# Altium PCB Urukul.PcbDoc (part 1 of 12) (continued)
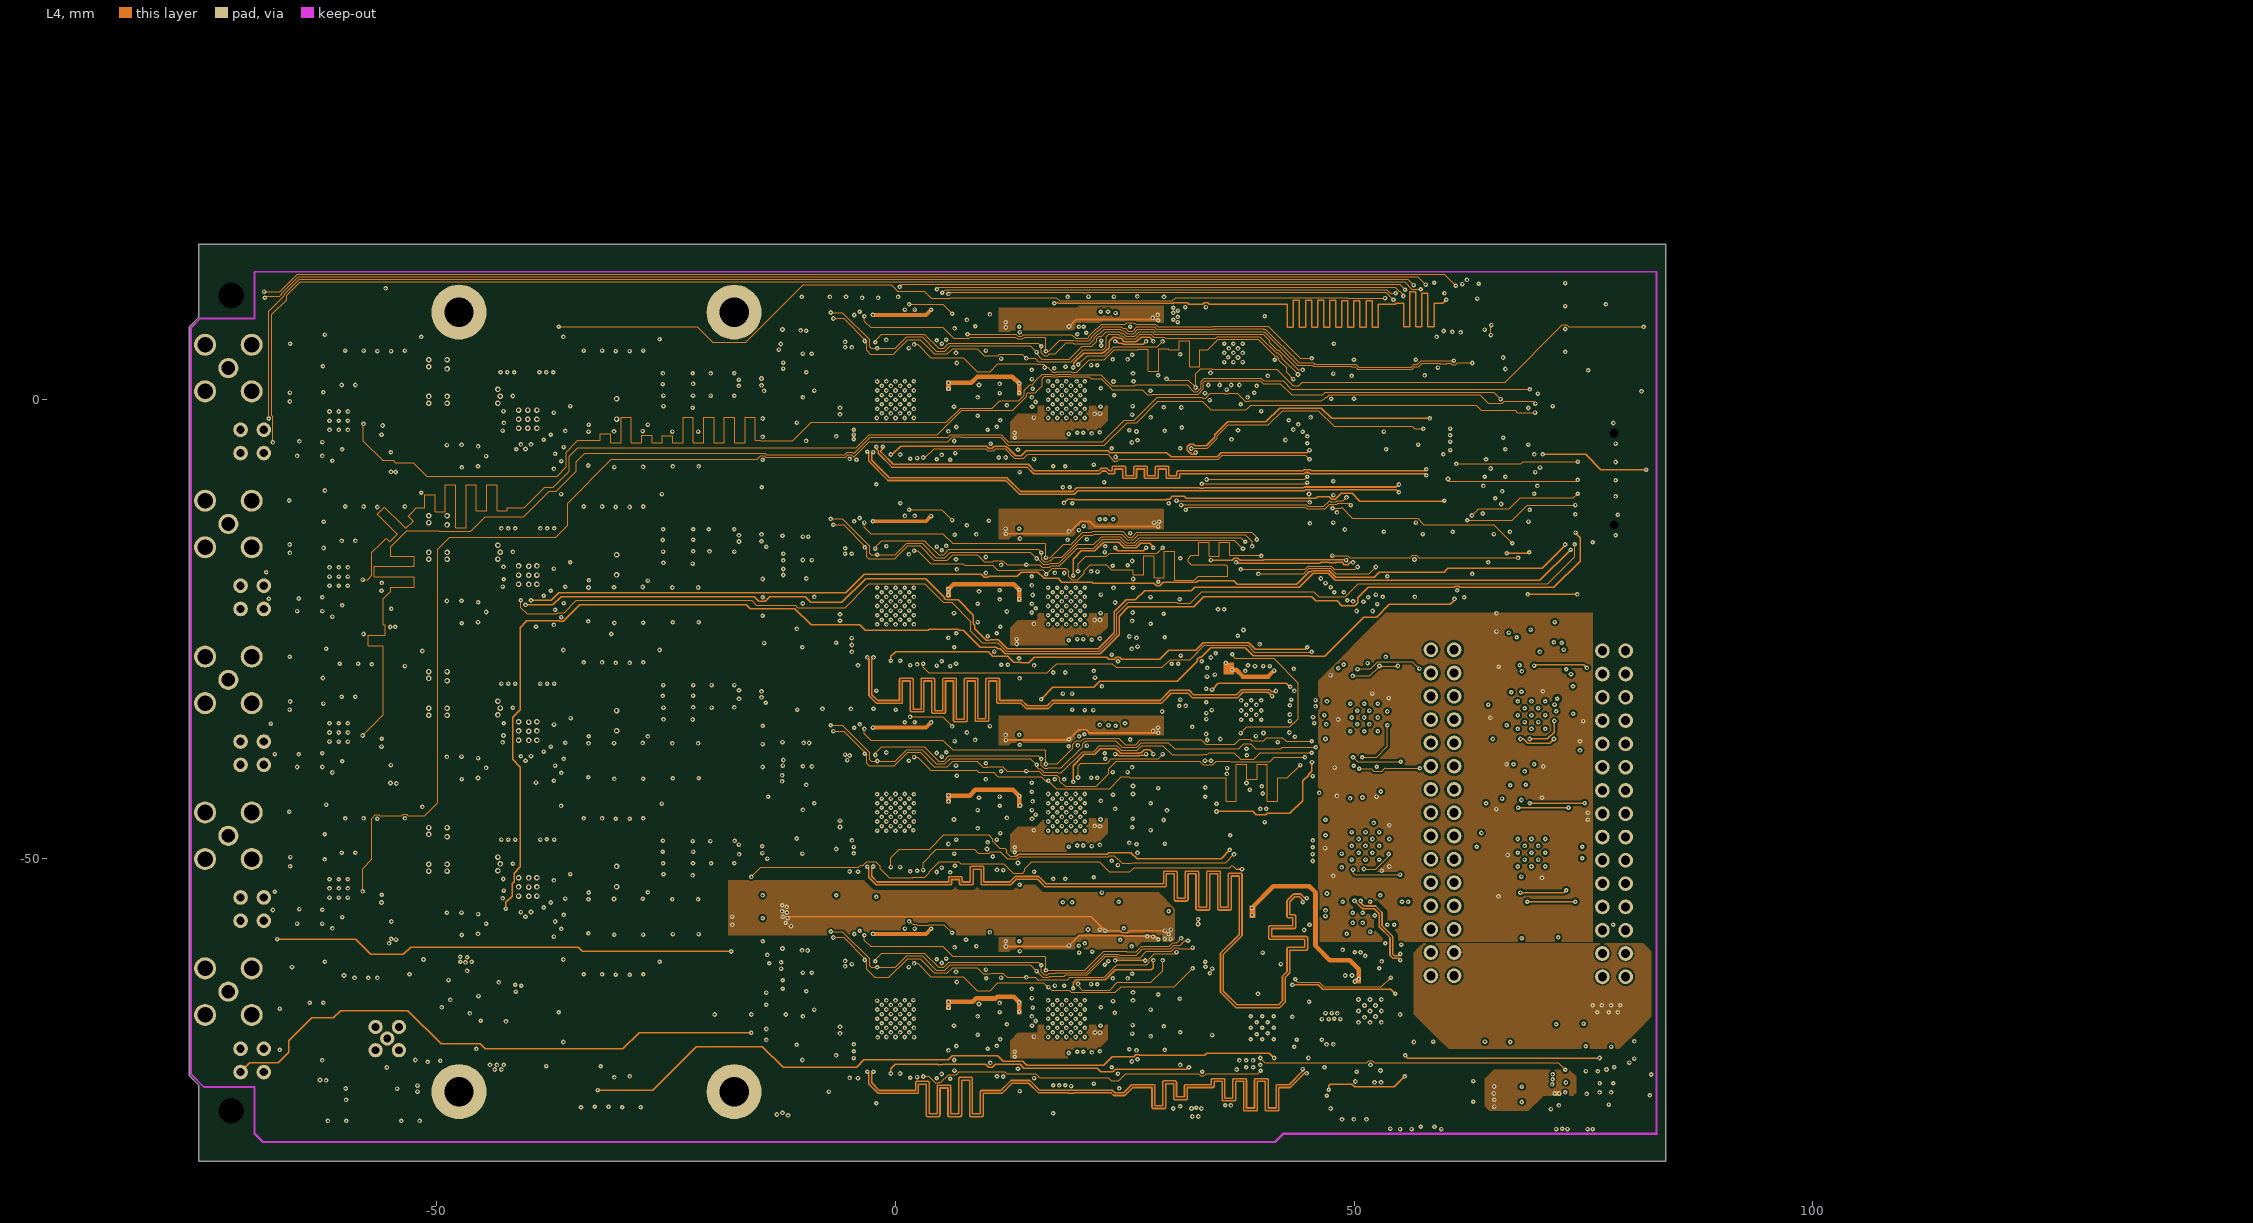
[diagram p4: L4]
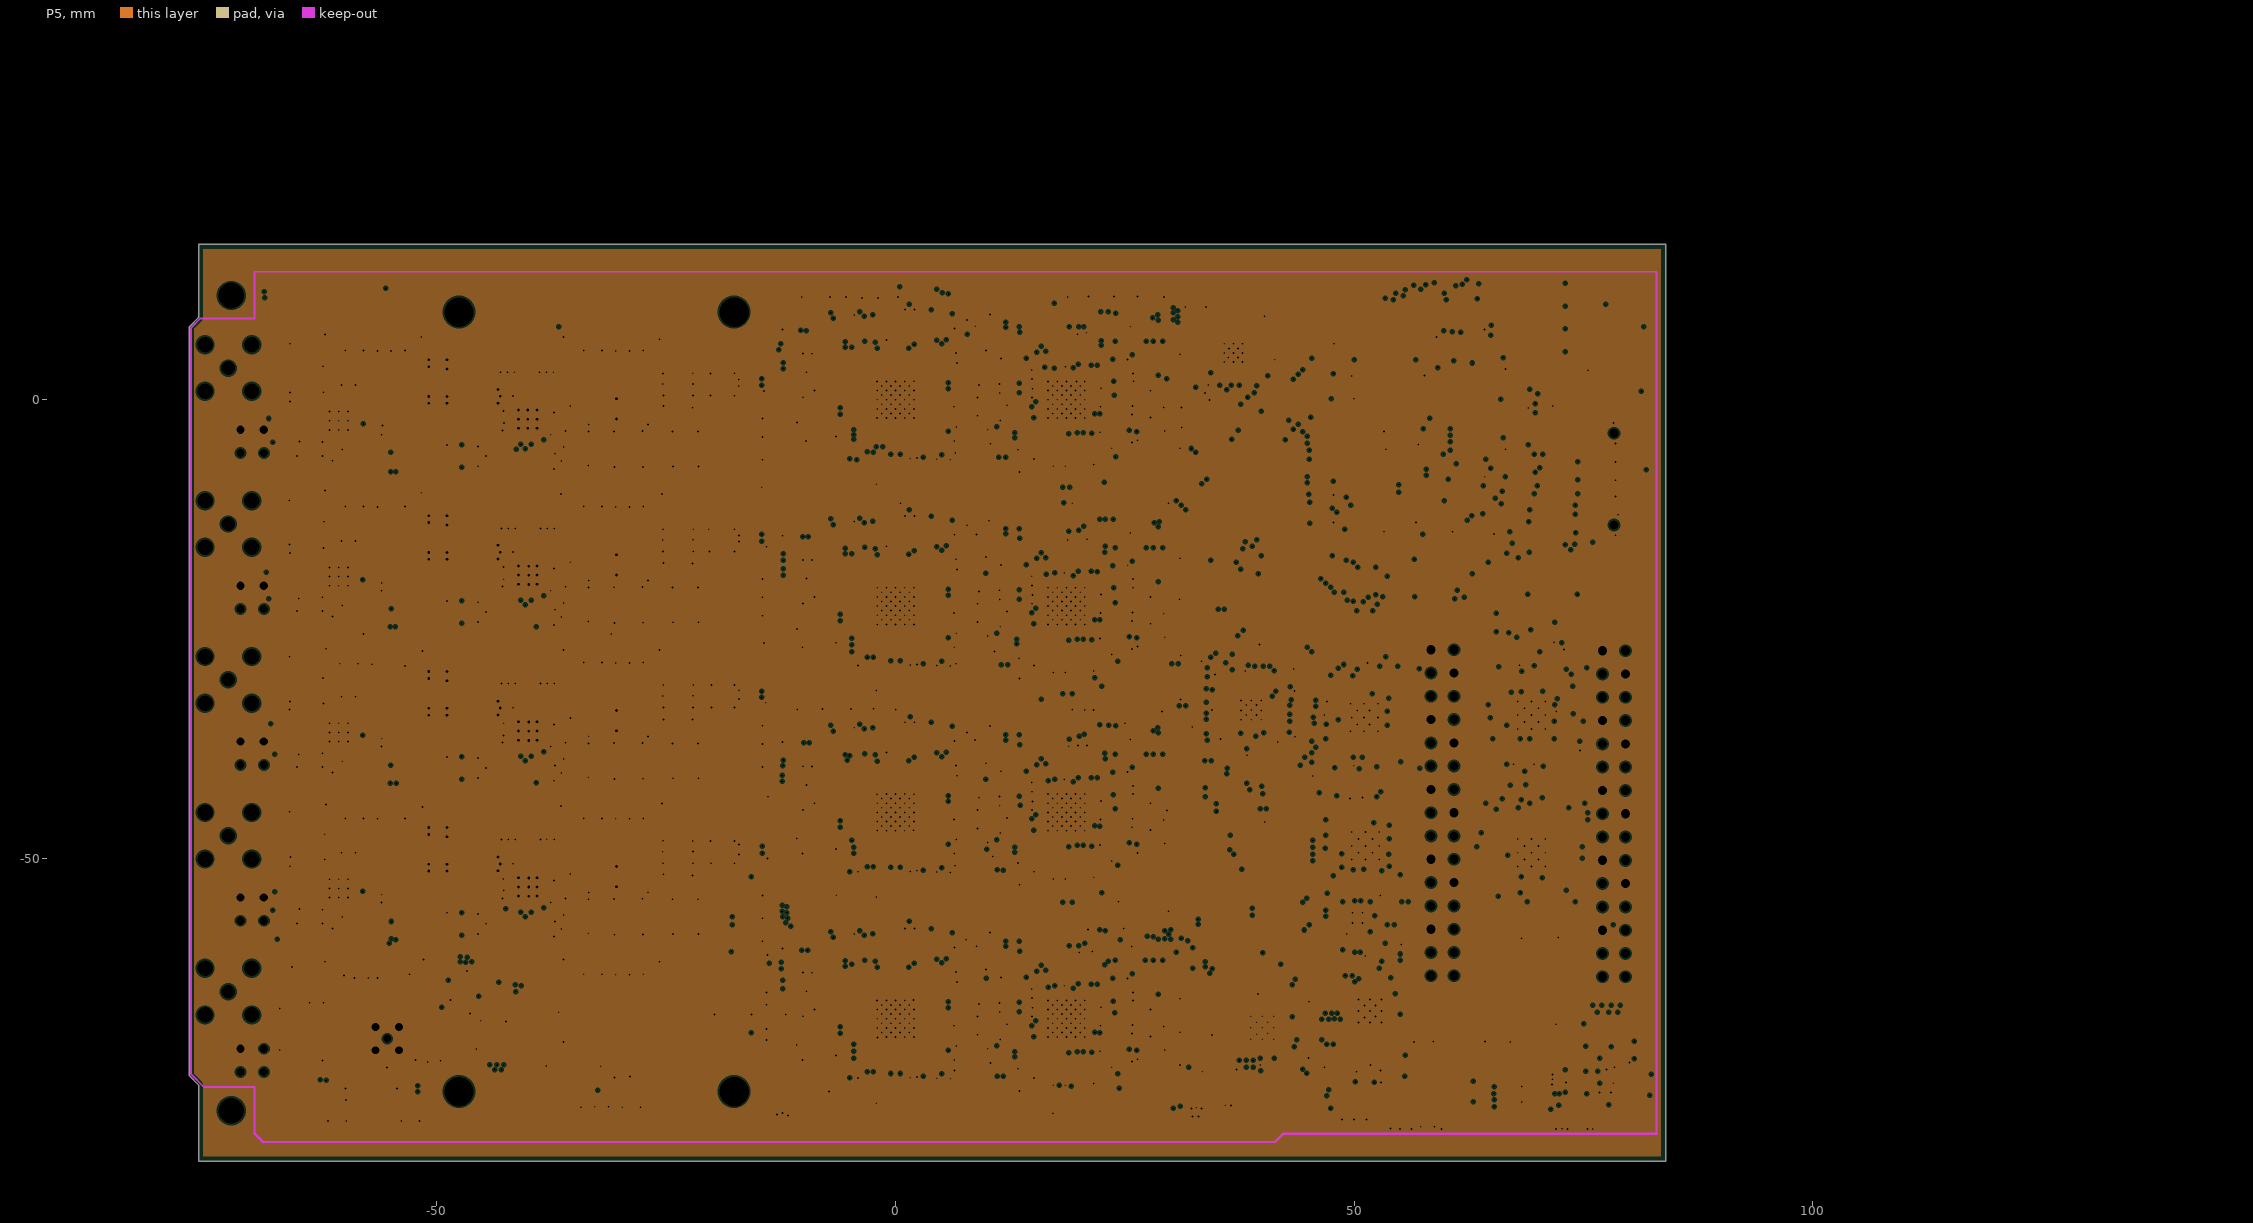
[diagram p5: P5, clearances drawn from the general rule]
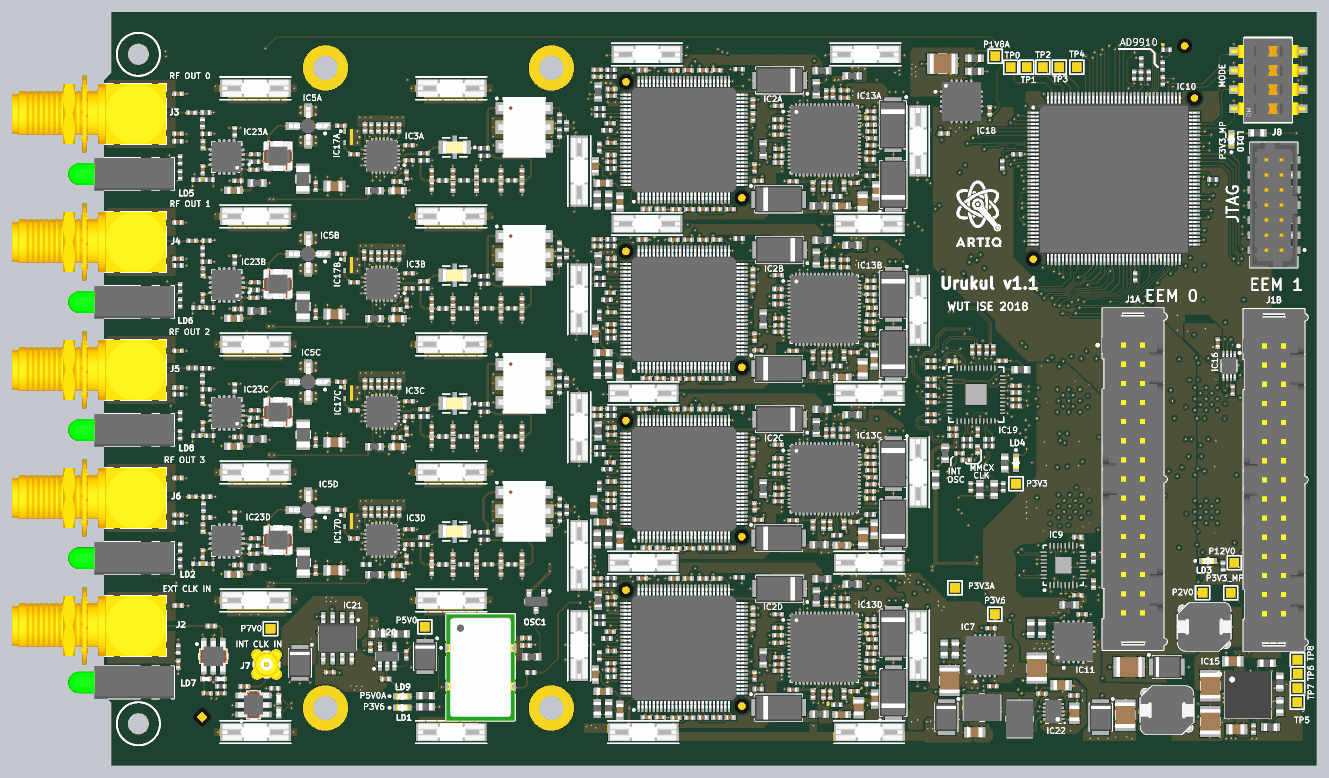
[diagram p17: 3D render of the assembled board from above, using the file's embedded part models]
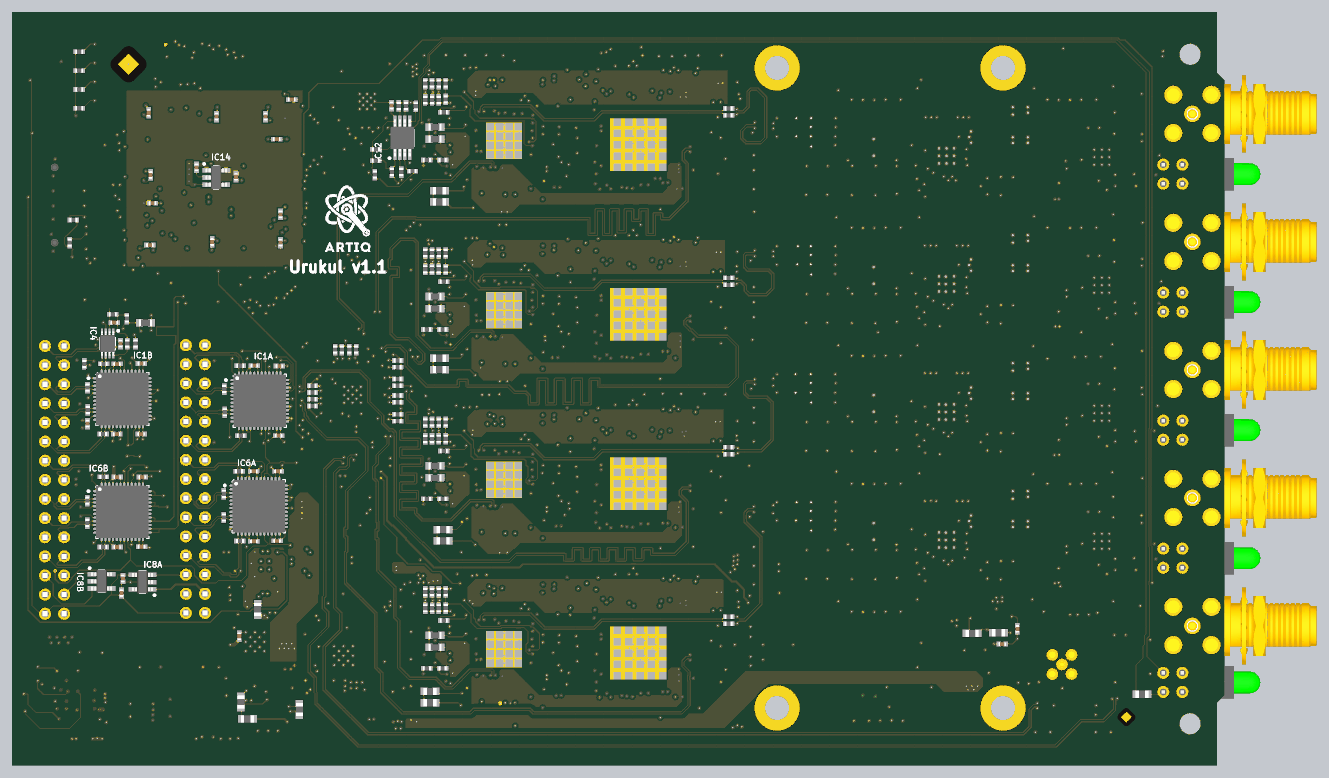
[diagram p18: 3D render of the assembled board from below, using the file's embedded part models]

## Layer stack, top to bottom
Top Solder: solder mask 0.034, Solder Resist, Dk 3.5
L1: signal copper 0.058
Dielectric1: core 0.18, FR4, Dk 3.66
P2: plane copper 0.018, net (Multiple Nets)
Dielectric 9: prepreg 0.46, FR4, Dk 4.2
L3: signal copper 0.018
Dielectric 8: prepreg 0.18, Dk 4.2
L4: signal copper 0.018
Dielectric4: core 0.46, FR4, Dk 4.2
P5: plane copper 0.018, net GND
Dielectric3: core 0.18, FR4, Dk 4.2
L6: signal copper 0.058
Bottom Solder: solder mask 0.034, Solder Resist, Dk 3.5

## Board outline
-77,-73.733 -77,7.947 -76,8.947 -76,16.947 83.995,16.947 83.995,-83.053 -76,-83.053 -76,-74.733

## Design rules (kind name [scope] priority, off if disabled: settings)
AcuteAngle AcuteAngle_GND [InNet('GND')] p1: minimum=5.00000000000000E+0001 checktracksonly=FALSE
AcuteAngle [All] p2: minimum=5.00000000000000E+0001 checktracksonly=FALSE
Clearance Clearance_1 [InPolygon vs (InDifferentialPairClass('All Differential Pairs'))] p1: gap=0.254 ignorepadtopadclearanceinfootprint=FALSE except(0: Arc-Hole Track-Hole SMDPad-Hole THPad-Hole Via-Hole Fill-Hole Poly-Hole Region-Hole Text-Hole; 0.508: Track-Poly)
Clearance Clearance_KeepOut [OnLayer('Keep-Out Layer') vs NOT (InComponent('J8') OR InComponent('J11'))] p2: gap=0.1 ignorepadtopadclearanceinfootprint=FALSE except(0: Arc-Hole Track-Hole SMDPad-Hole THPad-Hole Via-Hole Fill-Hole Poly-Hole Region-Hole Text-Hole)
Clearance Clearance_50_Ohms_GND_VIA [InNetClass('50_Ohms') vs (IsVia AND InNet('GND')) and not(IsPad)] p3: gap=0.2 ignorepadtopadclearanceinfootprint=FALSE except(0: Arc-Hole Track-Hole SMDPad-Hole THPad-Hole Via-Hole Fill-Hole Poly-Hole Region-Hole Text-Hole)
Clearance Clearance_50_Ohms_GND_Plane [InNetClass('50_Ohms') vs InPolygon] p4: gap=0.5 ignorepadtopadclearanceinfootprint=FALSE except(0: Arc-Hole Track-Hole SMDPad-Hole THPad-Hole Via-Hole Fill-Hole Poly-Hole Region-Hole Text-Hole)
Clearance Clearance_50_Ohms_GND_PADS [InNetClass('50_Ohms') vs InNet('GND')] p5: gap=0.2 ignorepadtopadclearanceinfootprint=FALSE except(0: Arc-Hole Track-Hole SMDPad-Hole THPad-Hole Via-Hole Fill-Hole Poly-Hole Region-Hole Text-Hole)
Clearance Clearance_50_Ohms [InNetClass('50_Ohms')] p6: gap=0.2 ignorepadtopadclearanceinfootprint=FALSE except(0: Arc-Hole Track-Hole SMDPad-Hole THPad-Hole Via-Hole Fill-Hole Poly-Hole Region-Hole Text-Hole)
Clearance Clearance_DiffPair_1 [(InDifferentialPairClass('All Differential Pairs')) vs (InDifferentialPairClass('All Differential Pairs'))] p7 off: gap=0.3 ignorepadtopadclearanceinfootprint=FALSE except(0: Arc-Hole Track-Hole SMDPad-Hole THPad-Hole Via-Hole Fill-Hole Poly-Hole Region-Hole Text-Hole)
Clearance [Not (OnLayer('Keep-Out Layer'))] p8: gap=0.127 ignorepadtopadclearanceinfootprint=FALSE except(0: Arc-Hole Track-Hole SMDPad-Hole THPad-Hole Via-Hole Fill-Hole Poly-Hole Region-Hole Text-Hole; 0.203: Arc-Poly Track-Poly SMDPad-Poly THPad-Poly Via-Poly Fill-Poly Poly-Poly)
Clearance Clearance_abs [All] p9: gap=0.1 ignorepadtopadclearanceinfootprint=FALSE except(0: Arc-Hole Track-Hole SMDPad-Hole THPad-Hole Via-Hole Fill-Hole Poly-Hole Region-Hole Text-Hole)
ComponentClearance Clearance_ERNI [(HasFootprint('ERMET ZD 3-10 CONNECTOR')) vs (HasFootprint('ERMET ZD 3-10 CONNECTOR'))] p1: gap=0 collisioncheckmode=3 verticalgap=0.254 showdistances=FALSE
ComponentClearance Clearance_Radiall_Placement [HasFootprint('Coaxipack2') vs HasFootprint('Coaxipack2')] p2: gap=0 collisioncheckmode=3 verticalgap=0.254 showdistances=FALSE
ComponentClearance [All] p3: gap=0.254 collisioncheckmode=3 verticalgap=0.254 showdistances=FALSE
DiffPairsRouting CLK_DiffPairsRouting [(InDifferentialPairClass('All Differential Pairs'))] p1: maxlimit=0.178 minlimit=0.127 mostfreqgap=0.152 toplayer_minwidth=0.152 toplayer_maxwidth=0.152 toplayer_prefwidth=0.152 midlayer2_maxgap=0.152 midlayer2_prefgap=0.127 midlayer2_minwidth=0.178 midlayer2_maxwidth=0.178 midlayer2_prefwidth=0.178 midlayer3_maxgap=0.152 midlayer3_prefgap=0.127 midlayer3_minwidth=0.178 midlayer3_maxwidth=0.178 midlayer3_prefwidth=0.178 bottomlayer_minwidth=0.152 bottomlayer_maxwidth=0.152 bottomlayer_prefwidth=0.152 maxuncoupledlength=10
FabricationTestPointUsage TestPointUsage [All] p1: valid=0 allowmultiple=FALSE
FabricationTestpoint Testpoint [(IsPad And (OnTopLayer Or OnBottomLayer))] p1: side=3 testpointundercomponent=TRUE minsize=1.016 maxsize=2.54 preferedsize=1.524 minholesize=0 maxholesize=1.016 preferedholesize=0.813 testpointgrid=0.025 allowsidetop=TRUE allowsidebottom=TRUE usegrid=TRUE gridtolerance=0
Height BottomHeight [All] p1: minheight=0 maxheight=20 prefheight=10
Height TopHeight [OnLayer('Top Layer (LO)')] p2: minheight=0 maxheight=2.5 prefheight=1
HoleSize [All] p1: absolutevalues=TRUE maxlimit=5 minlimit=0.3 maxpercent=80.000 minpercent=20.000
HoleToHoleClearance [All] p1: gap=0.2 allowstackedmicrovias=TRUE
Length [All] p1: maxlimit=2540 minlimit=0
MatchedLengths [All] p1: tolerance=25.4 checknetsindiffpair=FALSE checkdiffpairvsdiffpair=TRUE checkxsignals=TRUE checkothers=TRUE
MatchedLengths Update [InxSignalClass('UPDATE')] p2: tolerance=1.27 checknetsindiffpair=FALSE checkdiffpairvsdiffpair=TRUE checkxsignals=TRUE checkothers=TRUE
MatchedLengths RFSW [InxSignalClass('RFSW')] p3: tolerance=2.54 checknetsindiffpair=FALSE checkdiffpairvsdiffpair=TRUE checkxsignals=TRUE checkothers=TRUE
MatchedLengths "IO 11 15" [InxSignalClass('IO11_15')] p4: tolerance=2.54 checknetsindiffpair=FALSE checkdiffpairvsdiffpair=TRUE checkxsignals=TRUE checkothers=TRUE
MatchedLengths "DDS SYNC" [InxSignalClass('DDSx_SYNC')] p5: tolerance=1.27 checknetsindiffpair=FALSE checkdiffpairvsdiffpair=TRUE checkxsignals=TRUE checkothers=TRUE
MatchedLengths "DDS RESET" [InxSignalClass('DDS_RESET')] p6: tolerance=1.27 checknetsindiffpair=FALSE checkdiffpairvsdiffpair=TRUE checkxsignals=TRUE checkothers=TRUE
MatchedLengths "CLK IC13" [InxSignalClass('CLK IC13')] p7: tolerance=1.27 checknetsindiffpair=FALSE checkdiffpairvsdiffpair=TRUE checkxsignals=TRUE checkothers=TRUE
MinimumAnnularRing MinimumAnnularRing_Blind [(InNetClass('50_Ohms') OR InDifferentialPairClass('All Differential Pairs'))] p1: minimumring=0.1
MinimumAnnularRing [All] p2: minimumring=0.15
MinimumSolderMaskSliver [All] p1: minsoldermaskwidth=0.2
PlaneClearance [All] p1: clearance=0.2
PlaneConnect PlaneConnect_pad [InPadClass('All Pads')] p1: planeconnectstyle=Relief reliefexpansion=0.508 reliefentries=4 reliefconductorwidth=0.254 reliefairgap=0.254
PlaneConnect [All] p2: planeconnectstyle=Direct reliefexpansion=0.508 reliefentries=4 reliefconductorwidth=0.254 reliefairgap=0.254
PolygonConnect PolygonConnect_pad [IsPad] p1: connectstyle=Relief reliefconductorwidth=0.15 reliefentries=4 polygonreliefangle="90 Angle" airgapwidth=0.15
PolygonConnect [All] p2: connectstyle=Direct reliefconductorwidth=0.254 reliefentries=4 polygonreliefangle="90 Angle" airgapwidth=0.254
RoomDefinition Urukul [InComponentClass('Urukul')] p1: confinementstyle=ConfineIn formatcopy=TRUE lockcomponents=FALSE outline -125.9,-179.153 -75.1,-179.153 -75.1,-153.753 -125.9,-153.753
RoomDefinition U_LVDS_IFCB [InComponentClass('U_LVDS_IFCB')] p2: confinementstyle=ConfineIn formatcopy=TRUE lockcomponents=FALSE outline -125.9,-179.153 -75.1,-179.153 -75.1,-153.753 -125.9,-153.753
RoomDefinition U_LVDS_IFCA [InComponentClass('U_LVDS_IFCA')] p3: confinementstyle=ConfineIn formatcopy=TRUE lockcomponents=FALSE outline -125.9,-179.153 -75.1,-179.153 -75.1,-153.753 -125.9,-153.753
RoomDefinition U_DDS_channel1 [InComponentClass('U_DDS_channel1')] p4: confinementstyle=ConfineIn formatcopy=TRUE lockcomponents=FALSE outline -12.65,-32.403 29.95,-32.403 29.95,-12.403 -12.65,-12.403
RoomDefinition U_DDS_channel0 [InComponentClass('U_DDS_channel0')] p5: confinementstyle=ConfineIn formatcopy=TRUE lockcomponents=FALSE outline -12.65,-9.903 29.95,-9.903 29.95,10.097 -12.65,10.097
RoomDefinition U_DDS_OUT_channel1 [InComponentClass('U_DDS_OUT_channel1')] p6: confinementstyle=ConfineIn formatcopy=TRUE lockcomponents=FALSE outline -70.9,-11.153 -13.9,-11.153 -13.9,-25.153 -70.9,-25.153
RoomDefinition U_CTRL_LOGIC [InComponentClass('U_CTRL_LOGIC')] p7: confinementstyle=ConfineIn formatcopy=TRUE lockcomponents=FALSE outline 31.875,-22.953 77.58,-22.953 77.58,7.942 31.875,7.942
RoomDefinition U_DDS_OUT_channel0 [InComponentClass('U_DDS_OUT_channel0')] p8: confinementstyle=ConfineIn formatcopy=TRUE lockcomponents=FALSE outline -70.9,5.847 -13.9,5.847 -13.9,-8.153 -70.9,-8.153
RoomDefinition U_DDS_OUT_channel3 [InComponentClass('U_DDS_OUT_channel3')] p9: confinementstyle=ConfineIn formatcopy=TRUE lockcomponents=FALSE outline -70.9,-45.153 -13.9,-45.153 -13.9,-59.153 -70.9,-59.153
RoomDefinition U_DDS_OUT_channel2 [InComponentClass('U_DDS_OUT_channel2')] p10: confinementstyle=ConfineIn formatcopy=TRUE lockcomponents=FALSE outline -70.9,-28.153 -13.9,-28.153 -13.9,-42.153 -70.9,-42.153
RoomDefinition U_CLK_INPUT [InComponentClass('U_CLK_INPUT')] p11: confinementstyle=ConfineIn formatcopy=TRUE lockcomponents=FALSE outline -77.9,-82.653 -14.65,-82.653 -14.65,-60.403 -77.9,-60.403
RoomDefinition U_Supply_DDS [InComponentClass('U_Supply_DDS')] p12: confinementstyle=ConfineIn formatcopy=TRUE lockcomponents=FALSE outline 56.1,-83.753 84.275,-83.753 84.275,-20.753 56.1,-20.753
RoomDefinition U_DDS_channel3 [InComponentClass('U_DDS_channel3')] p13: confinementstyle=ConfineIn formatcopy=TRUE lockcomponents=FALSE outline -12.65,-77.403 29.95,-77.403 29.95,-57.403 -12.65,-57.403
RoomDefinition U_DDS_channel2 [InComponentClass('U_DDS_channel2')] p14: confinementstyle=ConfineIn formatcopy=TRUE lockcomponents=FALSE outline -12.65,-54.903 29.95,-54.903 29.95,-34.903 -12.65,-34.903
RoutingVias [All] p1: holewidth=0.2 width=0.5 viastyle="Through Hole" minholewidth=0.2 minwidth=0.5 maxholewidth=0.5 maxwidth=1
SMDNeckDown [All] p1: percent=100.000
SMDToCorner [All] p1: distance=78740
SMDToPlane [All] p1: distance=0
SilkToSilkClearance [All] p1: silktosilkclearance=0
SilkToSolderMaskClearance SilkscreenOverComponentPads [IsPad] p1: minsilkscreentomaskgap=0.05 clearancetoexposedcopper=TRUE
SolderMaskExpansion SolderMaskExpansion_GND_VIA [IsVia AND InNet('GND')] p1: expansion=-0.1
SolderMaskExpansion [All] p2: expansion=0.05
Width 50_Ohm_Lines [InNetClass('50_Ohms')] p1: maxlimit=0.529 minlimit=0.181 preferedwidth=0.449 toplayer_minwidth=0.211 toplayer_maxwidth=0.304 toplayer_prefwidth=0.254 midlayer2_minwidth=0.381 midlayer3_minwidth=0.381 bottomlayer_maxwidth=0.271 bottomlayer_prefwidth=0.223 impedancedriven=TRUE minimp=45.000000 maximp=55.000000 favimp=50.000000
Width CLK_DiffPairs_Width [(InDifferentialPairClass('All Differential Pairs'))] p2: maxlimit=0.17 minlimit=0.152 preferedwidth=0.17 toplayer_maxwidth=0.152 toplayer_prefwidth=0.152 midlayer2_minwidth=0.17 midlayer3_minwidth=0.17 bottomlayer_maxwidth=0.152 bottomlayer_prefwidth=0.152 minimp=50.000000 maximp=50.000000 favimp=50.000000 checkconnectedcopper=TRUE
Width Width-SE [All] p3: maxlimit=0.5 minlimit=0.127 preferedwidth=0.152 minimp=49.000000 maximp=51.000000 favimp=50.000000
18 further rules are at their usual default settings.

## Classes and differential pairs
net class 50_Ohms: NetC28A_1 NetC28A_2 NetC28B_1 NetC28B_2 NetC28C_1 NetC28C_2 NetC28D_1 NetC28D_2 NetC29A_2 NetC29B_2 NetC29C_2 NetC29D_2 NetC36A_1 NetC36B_1 NetC36C_1 NetC36D_1 NetC47A_1 NetC47A_2 NetC47B_1 NetC47B_2 NetC47C_1 NetC47C_2 NetC47D_1 NetC47D_2 NetC49A_1 NetC49A_2 NetC49B_1 NetC49B_2 NetC49C_1 NetC49C_2 NetC49D_1 NetC49D_2 NetC50A_1 NetC50B_1 NetC50C_1 NetC50D_1 NetC55A_2 NetC55B_2 NetC55C_2 NetC55D_2 NetC103_2 NetC164A_1 NetC164B_1 NetC164C_1 NetC164D_1 NetC172A_1 NetC172B_1 NetC172C_1 NetC172D_1 NetC176A_1 NetC176B_1 NetC176C_1 NetC176D_1 NetC180A_1 NetC180B_1 NetC180C_1 NetC180D_1 NetC190_1 NetC190_2 NetC196_1 NetC196_2 NetC202A_1 NetC202B_1 NetC202C_1 NetC202D_1 NetFL2A_1 NetFL2B_1 NetFL2C_1 NetFL2D_1 NetR59A_1 NetR59B_1 NetR59C_1 NetR59D_1 RF_OUT0 RF_OUT1 RF_OUT2 RF_OUT3
component class U_DDS_channel1: C26B C30B C43B C44B C51B C52B C53B C72B C82B C83B C84B C85B C87B C99B C105B C106B C107B C108B C109B C110B C111B C112B C114B C115B C116B C117B C118B C119B C120B C124B C125B C126B C127B C128B C129B C130B C133B C134B C135B C136B C137B C138B C140B C141B C142B C143B C144B C146B C147B C148B C149B C150B C151B C153B C154B C157B C158B C159B C162B IC2B IC13B L15B L16B L17B L18B L19B L20B L21B L22B R10B R12B R15B R40B R41B R56B R78B R79B R88B R89B R90B R91B R92B R93B R94B R96B R97B R98B R99B R100B R104B R105B R106B R107B R112B R113B R140B
channel class LVDS_IFC_DDS: U_LVDS_IFC1 U_LVDS_IFCA
component class U_CTRL_LOGIC: C104 C184 C185 C186 C187 C188 C192 C193 C197 C198 C199 C200 C201 IC10 IC14 J8 R1 R66 R67 R83 R85 R86 R111 R142 R144 R145 R146 R148 R149 SW1 TP0 TP1 TP2 TP3 TP4
component class U_CLK_INPUT: C54 C56 C57 C58 C59 C60 C61 C62 C65 C66 C68 C69 C71 C80 C81 C88 C91 C92 C93 C94 C95 C96 C97 C98 C100 C101 C102 C103 C189 C190 C191 C194 C195 C196 IC19 L9 L14 OSC1 R17 R22 R34 R37 R42 R45 R46 R47 R52 R60 R61 R62 R63 R69 R70 R71 R72 R73 R76 R77 R81 R95 R101 R102 R103 R108 R109 R110 R117 R141 R151 R154 R155 T1 TR2 TR3
component class Urukul: C1 C11 C13 C25 C31 C32 C33 C34 C35 C37 C41 C42 C45 C46 C86 C89 C90 CLIP1 CLIP2 CLIP3 CLIP4 CLIP5 CLIP6 CLIP7 CLIP8 CLIP9 CLIP10 CLIP11 CLIP12 CLIP13 CLIP14 CLIP15 CLIP16 CLIP17 CLIP18 CLIP19 CLIP20 CLIP21 CLIP22 CLIP23 CLIP24 CLIP25 CLIP26 CLIP27 CLIP28 CLIP29 CLIP30 CLIP31 FTG1 FTG2 FTG3 FTG4 IC4 IC9 IC16 J2 J3 J4 J5 J6 J7 L8 L13 LD2 LD5 LD6 LD8 R6 R25 R26 R27 R28 R29 R30 R31 R32 R36 R39 R43 R44 R64 R65 R68 R74 R75 R114 R147 R150 R152 R153 WASHER1 WASHER2 WASHER3 WASHER4 WASHER5 WASHER6 WASHER7 WASHER8 WASHER9 WASHER10
component class U_DDS_OUT_channel0: C12A C14A C15A C16A C17A C18A C19A C20A C21A C22A C23A C24A C27A C28A C29A C36A C38A C39A C40A C47A C49A C50A C55A C164A C172A C176A C180A C202A C203A C204A C205A C206A C207A FL2A IC3A IC5A IC17A IC23A L1A L6A L7A R2A R3A R4A R8A R18A R19A R20A R38A R48A R49A R50A R51A R54A R57A R58A R59A R137A R138A TR1A
component class U_DDS_OUT_channel1: C12B C14B C15B C16B C17B C18B C19B C20B C21B C22B C23B C24B C27B C28B C29B C36B C38B C39B C40B C47B C49B C50B C55B C164B C172B C176B C180B C202B C203B C204B C205B C206B C207B FL2B IC3B IC5B IC17B IC23B L1B L6B L7B R2B R3B R4B R8B R18B R19B R20B R38B R48B R49B R50B R51B R54B R57B R58B R59B R137B R138B TR1B
component class U_DDS_OUT_channel2: C12C C14C C15C C16C C17C C18C C19C C20C C21C C22C C23C C24C C27C C28C C29C C36C C38C C39C C40C C47C C49C C50C C55C C164C C172C C176C C180C C202C C203C C204C C205C C206C C207C FL2C IC3C IC5C IC17C IC23C L1C L6C L7C R2C R3C R4C R8C R18C R19C R20C R38C R48C R49C R50C R51C R54C R57C R58C R59C R137C R138C TR1C
component class U_DDS_OUT_channel3: C12D C14D C15D C16D C17D C18D C19D C20D C21D C22D C23D C24D C27D C28D C29D C36D C38D C39D C40D C47D C49D C50D C55D C164D C172D C176D C180D C202D C203D C204D C205D C206D C207D FL2D IC3D IC5D IC17D IC23D L1D L6D L7D R2D R3D R4D R8D R18D R19D R20D R38D R48D R49D R50D R51D R54D R57D R58D R59D R137D R138D TR1D
component class U_DDS_channel0: C26A C30A C43A C44A C51A C52A C53A C72A C82A C83A C84A C85A C87A C99A C105A C106A C107A C108A C109A C110A C111A C112A C114A C115A C116A C117A C118A C119A C120A C124A C125A C126A C127A C128A C129A C130A C133A C134A C135A C136A C137A C138A C140A C141A C142A C143A C144A C146A C147A C148A C149A C150A C151A C153A C154A C157A C158A C159A C162A IC2A IC13A L15A L16A L17A L18A L19A L20A L21A L22A R10A R12A R15A R40A R41A R56A R78A R79A R88A R89A R90A R91A R92A R93A R94A R96A R97A R98A R99A R100A R104A R105A R106A R107A R112A R113A R140A
component class U_DDS_channel2: C26C C30C C43C C44C C51C C52C C53C C72C C82C C83C C84C C85C C87C C99C C105C C106C C107C C108C C109C C110C C111C C112C C114C C115C C116C C117C C118C C119C C120C C124C C125C C126C C127C C128C C129C C130C C133C C134C C135C C136C C137C C138C C140C C141C C142C C143C C144C C146C C147C C148C C149C C150C C151C C153C C154C C157C C158C C159C C162C IC2C IC13C L15C L16C L17C L18C L19C L20C L21C L22C R10C R12C R15C R40C R41C R56C R78C R79C R88C R89C R90C R91C R92C R93C R94C R96C R97C R98C R99C R100C R104C R105C R106C R107C R112C R113C R140C